# Altium PCB ADC130MSPS-V1-01.PcbDoc (part 4 of 7)
Units mil, origin at the board's own origin, x right, y up, seen from the top; angles counter-clockwise.
Board outline 3011.81 x 2716.54 mil, 8 copper layers (Top Layer, GND1, L3, GND2, L5, GND3, POWER, Bottom Layer), stack 53.051 mil thick; 405 components, 449 nets, 2142 pads, 1651 vias.
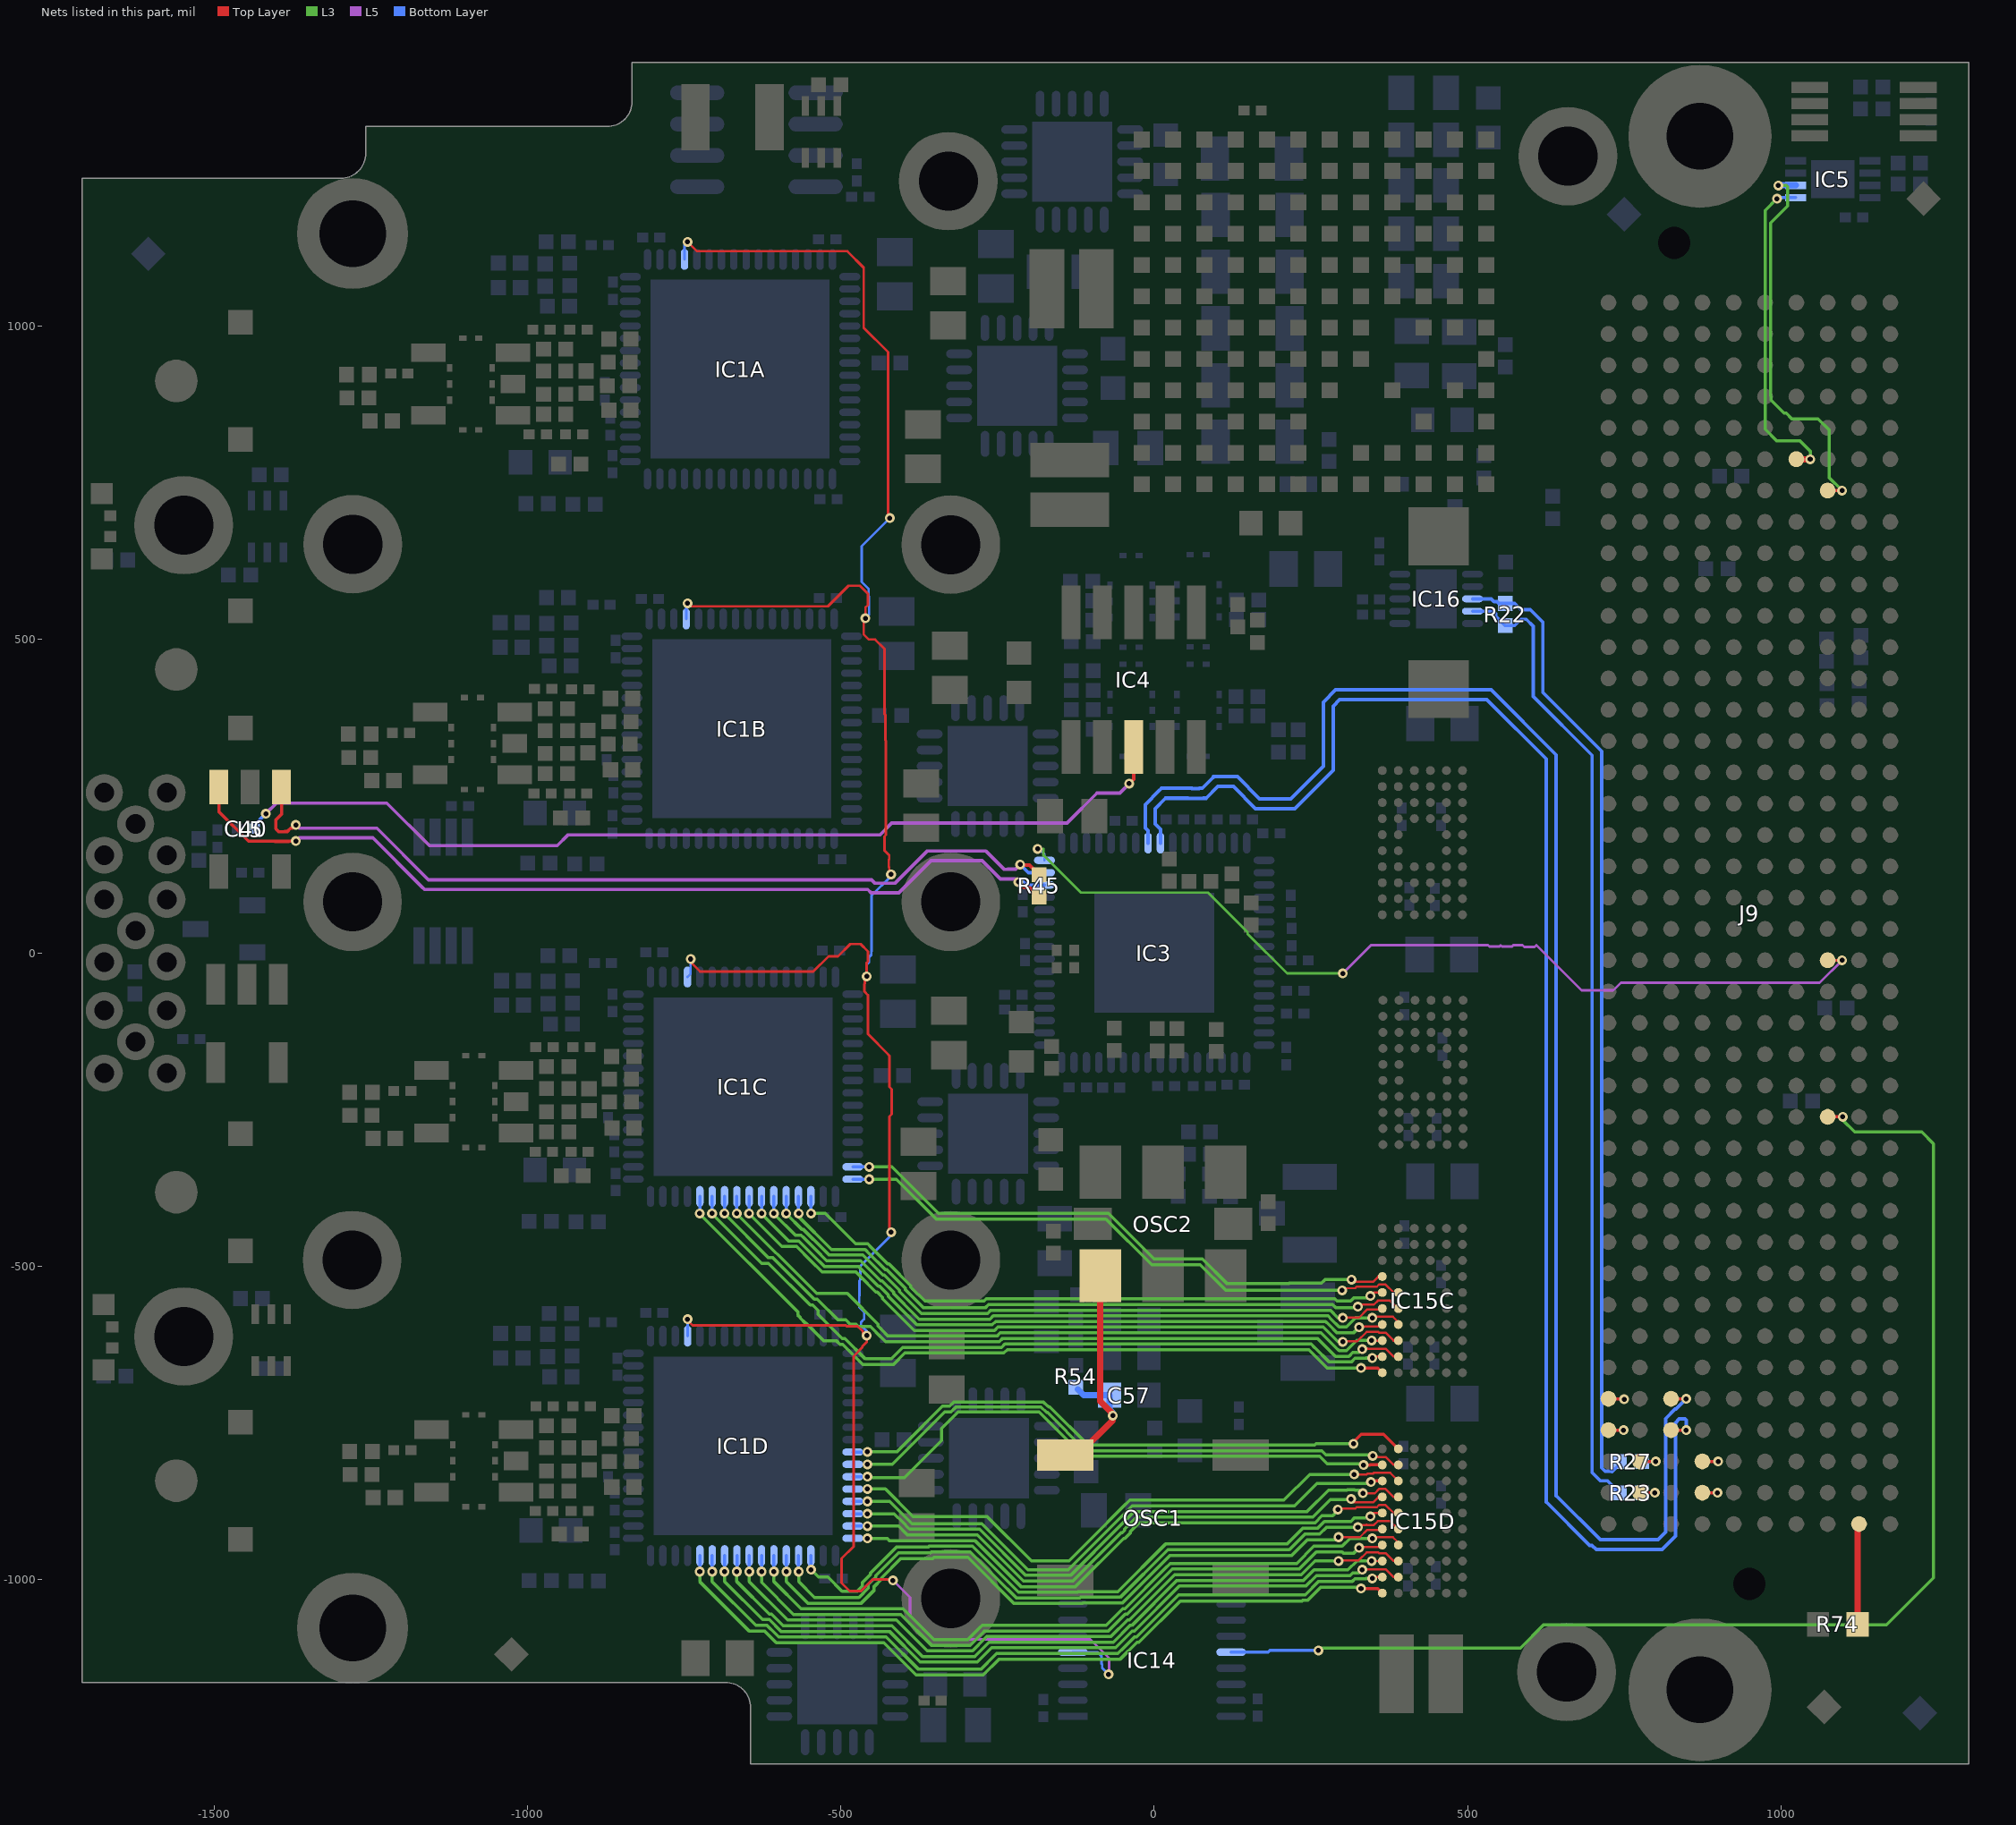
[diagram p10: the nets of this part, all layers, seen from the top]

## Via types
v1: diameter 15.75, hole 7.87, Top Layer to Bottom Layer, tented both sides, 1222 vias
v2: diameter 19.68, hole 7.87, Top Layer to Bottom Layer, tented both sides, 285 vias
v3: diameter 15.75, hole 7.87, Top Layer to Bottom Layer, 144 vias

## Nets (pads, with @x,y where several pads share a name; then routed paths per layer and width w, separated by ;. In a path a pad name is that pad's centre, name@x,y a point inside that pad or via, vN(x,y) a via of type N, cw(c..) or ccw(c..) an arc to the next point about the centre after c; other vN are vias at no path point) (continued)
CH3.DA5: IC1C.47 IC15C.G6 | length 930.2
  Top Layer w3.5: v1(315,-522) 318.5,-525.5 349.12,-525.5 357.79,-516.83 IC15C.G6@364.03,-516.83
  L3 w5: v1(-455,-341.95) -418.63,-341.95 -344.6,-415.98 -293.8,-415.98 -73.37,-416 -0.37,-489 77.06,-489 116.43,-528.37 214.35,-528.37 215.35,-527.37 266.94,-527.37 272.31,-522 v1(315,-522)
  Bottom Layer w5: IC1C.47@-481.2,-341.8 -455.16,-341.8 v1(-455,-341.95)
CH3.DA6: IC1C.48 IC15C.F5 | length 953.4
  Top Layer w3.5: v1(300,-539) 303.38,-535.62 320.64,-535.62 323.14,-533.13 355.44,-533.13 358.79,-529.79 369.26,-529.79 381.9,-542.43 IC15C.F5@389.62,-542.42
  L3 w5: v1(-455,-361.7) -411.61,-361.7 -348.33,-424.98 -297.53,-424.98 ; -297.51,-425 -77.1,-425 -4.1,-498 73.33,-498 114.33,-539 v1(300,-539)
  Bottom Layer w5: IC1C.48@-481.2,-361.48 -455.22,-361.48 v1(-455,-361.7)
CH3.DA7: IC1C.51 IC15C.F6 | length 1006.8
  Top Layer w3.5: v1(345,-548) 350.57,-542.43 IC15C.F6@364.03,-542.42
  L3 w5: v1(-547.85,-416) -525,-416 -476.37,-464.63 -457.58,-464.63 -451.2,-471 -425.58,-496.63 -423.41,-496.63 -388.63,-531.41 -388.63,-533.58 -366.11,-556.09 -271.64,-556.09 -268.18,-552.63 288.48,-552.63 291.95,-556.09 313.58,-556.09 319.05,-550.63 342.37,-550.63 v1(345,-548)
  Bottom Layer w5: IC1C.51@-548.13,-389.04 -548.13,-415.72 v1(-547.85,-416)
CH3.DA8: IC1C.52 IC15C.E5 | length 1061
  Top Layer w3.5: v1@328.38,-561.62 350.64,-561.62 356.89,-555.38 376.66,-555.38 389.3,-568.02 IC15C.E5@389.62,-568.01
  L3 w5: v1(-567.6,-416) -567.6,-421.41 -515.39,-473.63 -461.31,-473.63 -454.93,-480 -429.31,-505.63 -427.13,-505.63 -397.63,-535.13 -397.63,-537.31 -367.93,-567 -269.82,-567 -264.45,-561.63 284.75,-561.63 290.13,-567 323,-567 v1(325,-565)
  Bottom Layer w5: IC1C.52@-567.82,-389.04 -567.82,-415.78 v1(-567.6,-416)
CH3.DA9: IC1C.53 IC15C.E6 | length 1059.8
  Top Layer w3.5: v1(301,-583) 301.62,-582.38 326.89,-582.38 339.89,-569.38 362.66,-569.38 IC15C.E6@364.03,-568.01
  L3 w5: v1(-587.35,-416) -587.35,-416.58 -561.93,-442 -559.74,-442 -550.48,-451.26 -536.79,-464.95 -519.11,-482.63 -507.21,-482.63 -504.64,-482.63 -473.95,-482.63 -465.03,-482.63 -458.66,-489 -433.03,-514.63 -430.86,-514.63 -406.63,-538.86 -406.63,-541.03 -372.44,-575.22 -371.66,-576 -266.1,-576 -260.72,-570.63 -8.05,-570.63 281.03,-570.63 293.4,-583 v1(301,-583)
  Bottom Layer w5: IC1C.53@-587.5,-389.04 -587.5,-415.84 v1(-587.35,-416)
CH3.DA10: IC1C.54 IC15C.D5 | length 1120.6
  Top Layer w3.5: v1@347.07,-583.93 v1(348,-583) 350.03,-580.97 380.97,-580.97 389.61,-589.61 IC15C.D5@389.62,-593.6
  L3 w5: v1(-607.09,-416) -607.09,-416.58 -572.67,-451 -565.65,-451 -563.47,-451 -559.48,-454.98 -540.52,-473.95 -522.84,-491.63 -510.93,-491.63 -508.37,-491.63 -477.68,-491.63 -468.76,-491.63 -462.39,-498 -436.76,-523.63 -434.59,-523.63 -415.63,-542.59 -415.63,-544.76 -381.44,-578.95 -375.39,-585 -262.37,-585 -256.99,-579.63 -4.32,-579.63 52.32,-579.63 96.32,-579.63 268.99,-579.63 275.54,-579.63 277.3,-579.63 282.67,-585 295.05,-597.37 306.95,-597.37 321.33,-583 v1(348,-583)
  Bottom Layer w5: IC1C.54@-607.19,-389.04 -607.19,-415.91 v1(-607.09,-416)
CH3.DA11: IC1C.55 IC15C.D6 | length 1109.7
  Top Layer w3.5: v1@325,-596 325.62,-596.62 361.01,-596.62 IC15C.D6@364.03,-593.6
  L3 w5: v1(-626.84,-416) -626.84,-416.58 -583.42,-460 -576.4,-460 -569.38,-460 -567.2,-460 -544.25,-482.95 -526.57,-500.63 -514.66,-500.63 -512.09,-500.63 -481.41,-500.63 -472.49,-500.63 -466.12,-507 -440.49,-532.63 -438.32,-532.63 -424.63,-546.32 -424.63,-548.49 -390.44,-582.68 -379.12,-594 -258.64,-594 -253.27,-588.63 -0.59,-588.63 48.59,-588.63 92.59,-588.63 265.27,-588.63 271.81,-588.63 273.57,-588.63 278.94,-594 291.32,-606.37 318.63,-606.37 v1(327,-598)
  Bottom Layer w5: v1(-626.84,-416) IC1C.55@-626.87,-389.04
CH3.DA12: IC1C.56 IC15C.C5 | length 1166.9
  Top Layer w3.5: v1(301,-621) 301,-620 324.27,-620 338.89,-605.38 357.61,-605.38 358.79,-606.56 369.26,-606.56 381.9,-619.2 IC15C.C5@389.62,-619.19
  L3 w5: v1(-646.59,-416) -646.59,-416.58 -594.17,-469 -587.15,-469 -580.13,-469 -570.92,-469 -547.98,-491.95 -530.3,-509.63 -518.39,-509.63 -515.82,-509.63 -485.13,-509.63 -476.22,-509.63 -469.84,-516 -444.22,-541.63 -442.05,-541.63 -433.63,-550.05 -433.63,-552.22 -399.44,-586.41 -382.84,-603 -254.91,-603 -249.54,-597.63 3.13,-597.63 44.87,-597.63 47.13,-597.63 88.87,-597.63 261.54,-597.63 268.08,-597.63 269.84,-597.63 275.22,-603 293.22,-621 v1(301,-621)
  Bottom Layer w5: v1(-646.59,-416) IC1C.56@-646.56,-389.04
CH3.DA13: IC1C.57 IC15C.C6 | length 1162
  Top Layer w3.5: v1(347,-619) 347.2,-619.2 IC15C.C6@364.03,-619.19
  L3 w5: v1(-666.34,-416) -666.34,-416.58 -538.92,-544 -489.88,-544 -440.88,-593 -440.88,-595.88 -435.44,-601.32 -435.44,-601.56 -425,-612 -251.18,-612 -245.81,-606.63 266.11,-606.63 289.49,-630 289.67,-630 295.05,-635.37 306.95,-635.37 323.33,-619 325.67,-619 326.05,-618.63 337.95,-618.63 338.33,-619 v1(347,-619)
  Bottom Layer w5: v1(-666.34,-416) -666.24,-415.91 IC1C.57@-666.24,-389.04
CH3.DA14: IC1C.58 IC15C.B5 | length 1213.7
  Top Layer w3.5: v1(332,-633) 333.37,-631.63 340.37,-631.63 341.36,-632.62 352.64,-632.62 352.89,-632.38 353.64,-632.38 353.89,-632.62 358.31,-632.62 358.79,-632.15 369.26,-632.15 381.9,-644.79 IC15C.B5@389.62,-644.78
  L3 w5: v1(-686.09,-416) -686.09,-416.58 -615.67,-487 -608.65,-487 -542.65,-553 -538,-553 -504.84,-586.16 -492.16,-586.16 -484.95,-593.37 -475.63,-593.37 -473.27,-595.73 -473.17,-595.73 -472.28,-596.63 -452.86,-596.63 -444.44,-605.05 -444.44,-605.56 -429,-621 -247.46,-621 -242.08,-615.63 260.63,-615.63 289.37,-644.37 310.68,-644.37 317.06,-638 327,-638 v1(332,-633)
  Bottom Layer w5: v1(-686.09,-416) -685.93,-415.84 IC1C.58@-685.93,-389.04
CH3.DA15: IC1C.59 IC15C.B6 | length 1223.1
  Top Layer w3.5: v1(348,-647) 348,-646 349.21,-644.79 IC15C.B6@364.03,-644.78
  L3 w5: v1(-705.83,-416) -705.83,-416.58 -626.41,-496 -615.63,-496 -549,-562.63 -545.05,-562.63 -536.63,-571.05 -536.63,-577.37 -497.94,-616.06 -493.5,-616.06 -461.18,-648.37 -446.05,-648.37 -445.67,-648 -419.73,-648 -401.73,-630 -243.73,-630 -238.35,-624.63 250.35,-624.63 255.73,-630 256,-630 279.37,-653.37 314.41,-653.37 320.41,-647.37 337.95,-647.37 338.33,-647 v1(348,-647)
  Bottom Layer w5: v1(-705.83,-416) -705.61,-415.78 IC1C.59@-705.61,-389.04
CH3.OF_A: IC1C.60 IC15C.A6 | length 1245.7
  Top Layer w5: v1(330,-663) 356.65,-663 IC15C.A6@364.03,-670.37
  L3 w5: v1(-725.58,-416) -725.58,-416.58 -569,-573.16 -569,-578.37 -565.37,-582 -565.37,-582.95 -556.95,-591.37 -555.63,-591.37 -527.21,-619.79 -506.94,-619.79 -501.67,-625.06 -497.23,-625.06 -464.91,-657.37 -442.32,-657.37 -441.94,-657 -416,-657 -398,-639 -240,-639 -234.63,-633.63 246.63,-633.63 276,-663 v1(330,-663)
  Bottom Layer w5: v1(-725.58,-416) -725.3,-415.72 IC1C.60@-725.3,-389.04
CH4.CLKOUTA: IC1D.41 IC15D.K5 | length 955.1
  Top Layer w5: v1(318,-784) 318,-785 319,-786 319,-780 330.37,-768.63 366.18,-768.63 IC15D.K5@389.61,-792.06
  L3 w5: v1(-458,-796.89) -410.95,-796.89 -399.68,-785.63 -338.06,-724 -326.73,-724 -326.63,-724 -319.63,-717 -306.37,-717 -177.37,-717 -170.37,-724 -169.27,-724 -168.27,-725 -166.54,-725 -105.54,-786 256,-786 258,-784 v1(318,-784)
  Bottom Layer w5: IC1D.41@-481.09,-797.11 -458.22,-797.11 v1(-458,-796.89)
CH4.DA0: IC1D.42 IC15D.J5 | length 934.6
  Top Layer w3.5: v1(348.7,-803.28) 350.28,-804.86 v1@351.86,-804.86 ; v1@356,-805 v1@355.86,-804.86 ; IC15D.J5@389.61,-817.65 381.9,-817.65 369.26,-805.01 352.01,-805.01 v1@351.86,-804.86 ; v1@351.86,-804.86 351,-804 355,-804 v1@355.86,-804.86 ; v1@351.86,-804.86 v1@355.86,-804.86
  L3 w5: v1(-458,-816.64) -417.97,-816.64 -334.33,-733 -324.31,-733 -316.31,-725 -309.69,-725 -180.69,-725 -171.69,-734 -170.27,-734 -109.27,-795 267.55,-795 274.18,-801.63 347.05,-801.63 v1(348.7,-803.28)
CH4.DA1: IC1D.43 IC15D.J6 | length 927.9
  Top Layer w5: v1(334,-818) 344,-818 344.35,-817.65 IC15D.J6@364.02,-817.65
  L3 w5: v1(-458,-836.39) v1@-456,-836.39 ; v1@-456,-837 -455,-838 -398.67,-838 -339.5,-778.83 -339.5,-759.5 -313,-733 -184,-733 -113,-804 263.82,-804 275.82,-816 v1@327,-816
  Bottom Layer w5: IC1D.43@-481.09,-836.48 -458.09,-836.48 v1(-458,-836.39)
CH4.DA2: IC1D.44 IC15D.H5 | length 958.9
  Top Layer w3.5: v1(319,-833) 338.73,-833 340.36,-831.38 349.64,-831.38 350.64,-830.38 376.75,-830.38 IC15D.H5@389.61,-843.24
  L3 w5: v1(-458,-856.13) -429.19,-856.13 -385.33,-900 -267,-900 -196,-971 -136,-971 -74.37,-909.37 -74.37,-909.13 -44.87,-879.63 -44.63,-879.63 -39,-874 207,-874 248,-833 v1(319,-833)
CH4.DA3: IC1D.45 IC15D.H6 | length 949.2
  Top Layer w5: v1(346,-845) 347.76,-843.24 IC15D.H6@364.02,-843.24
  L3 w5: v1(-458,-875.88) -422.17,-875.88 -386.67,-911.39 -275.16,-911.39 -201.55,-985 -137.27,-985 -65.37,-913.1 -65.37,-912.86 -41.14,-888.63 -40.9,-888.63 -35.27,-883 224,-883 259.63,-847.37 343.63,-847.37 v1(346,-845)
  Bottom Layer w5: IC1D.45@-481.09,-875.85 v1(-458,-875.88)
CH4.DA4: IC1D.46 IC15D.G5 | length 976.1
  Top Layer w3.5: v1(333,-863) 351.98,-863 358.79,-856.19 369.26,-856.19 381.9,-868.83 IC15D.G5@389.61,-868.83
  L3 w5: v1(-458,-895.63) -415.15,-895.63 -400.41,-910.37 -392.78,-918 -390.39,-920.39 -371.07,-920.39 -370.48,-920.39 -278.89,-920.39 -205.28,-994 -133.54,-994 -56.54,-917 -56.37,-917 -56.37,-916.59 -37.41,-897.63 -37.17,-897.63 -31.54,-892 244,-892 278,-858 307.67,-858 308.05,-857.63 319.95,-857.63 320.33,-858 327,-858 v1@331,-862
  Bottom Layer w5: IC1D.46@-481.09,-895.54 -458.09,-895.54 v1(-458,-895.63)
CH4.DA5: IC1D.47 IC15D.G6 | length 943.5
  Top Layer w3.5: v1(314,-872) 314,-873 318.5,-877.5 349.12,-877.5 357.79,-868.83 IC15D.G6@364.02,-868.83
  L3 w5: v1(-458,-915.38) -408.13,-915.38 -396.51,-927 -394.12,-929.39 -374.79,-929.39 -366.75,-929.39 -282.62,-929.39 -209.01,-1003 -129.82,-1003 -52.82,-926 -50.82,-926 -47.37,-922.56 -47.37,-920.32 -33.68,-906.63 -33.44,-906.63 -27.82,-901 253,-901 281,-873 313,-873 v1(314,-872)
  Bottom Layer w5: IC1D.47@-481.09,-915.22 -458.16,-915.22 v1(-458,-915.38)
CH4.DA6: IC1D.48 IC15D.F5 | length 940.1
  Top Layer w3.5: v1@293,-888 294,-888 294.38,-887.62 320.64,-887.62 323.14,-885.13 355.44,-885.13 358.79,-881.79 369.26,-881.79 381.9,-894.43 IC15D.F5@389.61,-894.43
  L3 w5: v1(-458,-935.13) -426.13,-935.13 -422.86,-938.39 -286.35,-938.39 -212.74,-1012 -126.09,-1012 -49.09,-935 -47.09,-935 -38.37,-926.29 -38.37,-924.05 -29.95,-915.63 -29.71,-915.63 -24.09,-910 256.73,-910 267.73,-899 285,-899 v1@294,-890
  other v1: 293,-889
CH4.DA7: IC1D.51 IC15D.F6 | length 1066.3
  Top Layer w3.5: v1(345,-900) 350.57,-894.43 IC15D.F6@364.02,-894.43
  L3 w5: v1(-547.74,-985.02) -536.13,-996.63 -521.05,-996.63 -498.3,-1019.37 -474.05,-1019.37 -465.63,-1010.95 -465.63,-1005 -465.46,-1005 -453.37,-992.92 -453.37,-990.59 -433.41,-970.63 -411.78,-949 -378,-949 -360.9,-949 -359.9,-948 -359.29,-947.39 -343.75,-947.39 -294.25,-947.39 -290.07,-947.39 -264.46,-973 -241.13,-996.34 -217.46,-1020 -216.46,-1021 -122.36,-1021 -121.36,-1020 -58,-1020 18,-944 212,-944 237,-919 260.46,-919 271.46,-908 288.73,-908 313.67,-908 319.05,-902.63 342.37,-902.63 v1(345,-900)
  Bottom Layer w5: IC1D.51@-548.02,-962.46 -548.02,-984.73 v1(-547.74,-985.02)
CH4.DA8: IC1D.52 IC15D.E5 | length 1131.1
  Top Layer w3.5: v1(325,-917) 328.38,-913.62 338.5,-913.62 338.93,-913.2 339.36,-913.62 350.64,-913.62 356.89,-907.38 376.66,-907.38 389.3,-920.02 IC15D.E5@389.61,-920.02
  L3 w5: v1(-567.49,-988) -567.49,-1004 -542.11,-1029.37 -471.32,-1029.37 -456.63,-1014.68 -456.63,-1008.9 -444.37,-996.65 -444.37,-994.32 -429.68,-979.63 -408.06,-958 -374.27,-958 -357.18,-958 -355.57,-956.39 -293.8,-956.39 -250.13,-1000.06 -221.19,-1029 -220.19,-1030 -118.63,-1030 -117.63,-1029 -54.27,-1029 21.73,-953 215.73,-953 240.73,-928 264.18,-928 275.18,-917 v1(325,-917)
  Bottom Layer w5: IC1D.52@-567.71,-962.46 -567.71,-987.78 v1(-567.49,-988)
CH4.DA9: IC1D.53 IC15D.E6 | length 1121.9
  Top Layer w3.5: v1(294,-933) 328.27,-933 339.89,-921.38 362.66,-921.38 IC15D.E6@364.02,-920.02
  L3 w5: v1(-587.24,-988) -587.24,-1004 -552.86,-1038.37 -467.59,-1038.37 -447.63,-1018.41 -447.63,-1012.63 -435.37,-1000.37 -435.37,-998.05 -404.33,-967 -353.45,-967 -351.84,-965.39 -297.53,-965.39 -223.92,-1039 -114.9,-1039 -113.9,-1038 -50.54,-1038 25.46,-962 219.46,-962 244.46,-937 290,-937 v1(294,-933)
  Bottom Layer w5: IC1D.53@-587.39,-962.46 -587.39,-987.84 v1(-587.24,-988)
CH4.DA10: IC1D.54 IC15D.D5 | length 1153.8
  Top Layer w3.5: v1@347.07,-935.93 v1(348,-935) 350.03,-932.97 380.97,-932.97 389.61,-941.61 IC15D.D5@389.61,-945.61
  L3 w5: v1(-606.98,-988) -606.98,-1004 -563.61,-1047.37 -400.96,-1047.37 -351.84,-1096.5 -297.53,-1096.5 -297,-1095.97 ; -296.52,-1095.48 -297,-1095.97 ; v1(348,-935) 312.33,-935 299.95,-947.37 254.92,-947.37 227.29,-975 25.18,-975 18,-982.18 -46.82,-1047 -50,-1047 -76.63,-1073.63 -125.32,-1073.63 -269.99,-1073.63 -274.63,-1073.63 -277.65,-1076.65 -297,-1096
  Bottom Layer w5: IC1D.54@-607.08,-962.46 -607.08,-987.91 v1(-606.98,-988)
CH4.DA11: IC1D.55 IC15D.D6 | length 1144.7
  Top Layer w3.5: v1@325,-948 325.62,-948.62 361.01,-948.62 IC15D.D6@364.02,-945.61
  L3 w5: v1(-626.73,-988) -626.73,-1005.27 -575.63,-1056.37 -404.69,-1056.37 -355.57,-1105.5 -293.8,-1105.5 -293.3,-1105 -273.92,-1085.65 -270.9,-1082.63 -266.27,-1082.63 -121.59,-1082.63 -72.9,-1082.63 -46.27,-1056 -43.09,-1056 27,-985.91 28.91,-984 57.73,-984 231.02,-984 258.65,-956.37 297.97,-956.37 298.22,-956.63 299.95,-956.63 301.7,-958.37 318.63,-958.37 v1(327,-950)
  Bottom Layer w5: v1@-626.76,-987.97 IC1D.55@-626.76,-962.46
CH4.DA12: IC1D.56 IC15D.C5 | length 1194.8
  Top Layer w3.5: v1(294,-971) 294,-970 326.27,-970 338.89,-957.38 357.61,-957.38 358.79,-958.56 369.26,-958.56 381.9,-971.2 IC15D.C5@389.61,-971.2
  L3 w5: v1(-646.48,-988) -646.48,-1004 -585.11,-1065.37 -411.63,-1065.37 -362.5,-1114.5 -290.07,-1114.5 -289.57,-1114 ; -289.54,-1114 -270.2,-1094.65 -267.17,-1091.63 -262.54,-1091.63 -117.87,-1091.63 -76.13,-1091.63 -69.17,-1091.63 -42.54,-1065 -39.36,-1065 32.64,-993 234.75,-993 256.75,-971 v1(294,-971)
  Bottom Layer w5: v1(-646.48,-988) IC1D.56@-646.45,-962.46
CH4.DA13: IC1D.57 IC15D.C6 | length 1175.7
  Top Layer w3.5: v1(347,-971) 347.2,-971.2 IC15D.C6@364.02,-971.2
  L3 w5: v1(-666.23,-988) -666.23,-1004 -614.6,-1055.63 -610.86,-1055.63 -592.11,-1074.37 -418.9,-1074.37 -369.77,-1123.5 -286.35,-1123.5 -285.85,-1123 -266.47,-1103.65 -263.44,-1100.63 -258.81,-1100.63 -114.14,-1100.63 -79.86,-1100.63 -65.44,-1100.63 -38.82,-1074 -35.63,-1074 36.37,-1002 238.48,-1002 255.1,-985.37 308.95,-985.37 323.7,-970.63 337.95,-970.63
  Bottom Layer w5: v1(-666.23,-988) -666.13,-987.91 IC1D.57@-666.13,-962.46
CH4.DA14: IC1D.58 IC15D.B5 | length 1239
  Top Layer w3.5: v1@331,-984 v1@331.15,-984.15 ; v1(332,-985) v1@331.15,-984.15 ; IC15D.B5@389.61,-996.79 381.9,-996.79 369.26,-984.15 v1@331.15,-984.15
  L3 w5: v1(-685.98,-988) -685.98,-1004 -625.35,-1064.63 -614.59,-1064.63 -595.84,-1083.37 -424.17,-1083.37 -422.63,-1083.37 -373.5,-1132.5 -282.62,-1132.5 -282.12,-1132 ; -282.09,-1132 -259.71,-1109.63 -61.71,-1109.63 -35.09,-1083 -31.9,-1083 40.1,-1011 242.21,-1011 258.83,-994.37 312.68,-994.37 317.06,-990 327,-990 v1(332,-985)
  Bottom Layer w5: v1(-685.98,-988) -685.82,-987.84 IC1D.58@-685.82,-962.46
CH4.DA15: IC1D.59 IC15D.B6 | length 1230.9
  Top Layer w3.5: v1(348,-999) 348,-998 349.21,-996.79 IC15D.B6@364.02,-996.79
  L3 w5: v1(-705.72,-988) -705.72,-1004 -636.1,-1073.63 -618.32,-1073.63 -604.63,-1087.32 -599.57,-1092.37 -568.27,-1092.37 -427.9,-1092.37 -376.27,-1144 -276.73,-1144 -254.38,-1121.65 -251.35,-1118.63 -106.68,-1118.63 -87.32,-1118.63 -57.99,-1118.63 -48.54,-1109.18 -31.36,-1092 -28.18,-1092 38.82,-1025 240.93,-1025 262.56,-1003.37 316.41,-1003.37 320.41,-999.37 337.95,-999.37 338.33,-999 v1(348,-999)
  Bottom Layer w5: v1(-705.72,-988) -705.5,-987.78 IC1D.59@-705.5,-962.46
CH4.OF_A: IC1D.60 IC15D.A6 | length 1246.9
  Top Layer w5: v1(330,-1015) 356.65,-1015 IC15D.A6@364.02,-1022.38
  L3 w5: v1(-725.47,-988) -725.47,-1004 -646.85,-1082.63 -622.05,-1082.63 -603.3,-1101.37 -431.63,-1101.37 -380,-1153 -273,-1153 -247.63,-1127.63 -54.26,-1127.63 -27.63,-1101 -24.45,-1101 41.55,-1035 236,-1035 237,-1034 244.66,-1034 265.66,-1013 v1@323,-1013
  Bottom Layer w5: v1(-725.47,-988) -725.19,-987.72 IC1D.60@-725.19,-962.46
CLK0_M2C_N: IC3.24 J9.h5 | length 2569.3
  Top Layer w5: J9.h5@824.92,-711.99 v1(849,-712)
  Bottom Layer w5.72: IC3.24@-9.84,175.2 -9.84,194.81 -14.45,199.42 -14.45,236.55 8,259 11.45,262.45 21.8,262.45 60.12,262.45 60.31,262.27 71.69,262.27 71.88,262.45 76.45,262.45 94,280 ; 94,281.29 132.94,281.29 168.23,246 218,246 270,298 270,400.23 289.49,419.72 537.51,419.72 641.72,315.51 641.72,-711 641.72,-866.72 712,-937 804,-937 816,-925 816,-743.77 831.49,-728.28 832.72,-728.28 v1(849,-712)
CLK0_M2C_P: IC3.25 J9.h4 | length 2557.7
  Top Layer w5: J9.h4@824.92,-761.99 v1(849,-762)
  Bottom Layer w5.72: IC3.25@9.84,175.2 9.84,197.36 1.27,205.94 1.27,230.04 17.96,246.73 51.96,246.73 53.61,246.73 53.8,246.55 78.2,246.55 78.39,246.73 82.96,246.73 101.8,265.57 126.43,265.57 161.72,230.28 224.51,230.28 285.72,291.49 285.72,393.72 296,404 531,404 626,309 626,-707 626,-877 695,-946 698.77,-946 705.49,-952.72 810.51,-952.72 831.72,-931.51 831.72,-750.28 838,-744 847,-744 849,-746 v1(849,-762)
CLK1_M2C_N: J9.g3 | length 25.1
  Top Layer w5: J9.g3@874.92,-811.99 898.99,-811.99 v1(900,-812)
CLK1_M2C_P: J9.g2 | length 24.1
  Top Layer w5: J9.g2@874.92,-861.99 v1(899,-862)
CLK2_BIDIR_N: J9.k5 | length 25.5
  Top Layer w5: J9.k5@724.92,-711.99 748.99,-711.99 v1(750,-713)
CLK2_BIDIR_P: J9.k4 | length 24.1
  Top Layer w5: J9.k4@724.92,-761.99 v1(749,-762)
CLK3_BIDIR_N: J9.j3 R27.2 | length 47.9
  Top Layer w5: J9.j3@774.92,-811.99 798.99,-811.99 v1(800.38,-812)
  Bottom Layer w5: R27.2@777.92,-811.99 v1(800.38,-812)
CLK3_BIDIR_P: J9.j2 R23.2 | length 45.2
  Top Layer w5: J9.j2@774.92,-861.99 v1(799,-862)
  Bottom Layer w5: R23.2@777.92,-861.99 v1(799,-862)
CLK_DIR: J9.b1 R74.2 | length 157.6
  Top Layer w10: R74.2@1122.5,-1072 J9.b1@1122.5,-914.42
"CONTROL VOLTAGE": C57.2 OSC1.1 OSC2.1 R54.2 | length 420.1
  Top Layer w10: OSC1.1@-141.96,-802 -122,-802 -66,-746 v1(-66,-739) ; OSC2.1@-86,-515.68 -86,-716 v1@-66,-736
  Bottom Layer w10: R54.2@-122,-697 -112.72,-706.28 C57.2@-71.5,-706.28 -71.5,-729.5 v1@-66,-735
DITH: IC14.12 J9.c14 | length 2053.4
  Top Layer w5: J9.c14@1074.92,-261.99 v1(1099,-262)
  L3 w5: v1(262,-1113.72) 265.77,-1109.94 584.39,-1109.94 621.34,-1073 1169,-1073 1244,-998 1244,-305 1225,-286 1118,-286 1099,-267 v1(1099,-262)
  Bottom Layer w5: IC14.12@122.6,-1116.64 182,-1116.64 184.92,-1113.72 v1(262,-1113.72)
DITH_ON_OFF: IC1A.20 IC1B.20 IC1C.20 IC1D.20 IC14.5 | length 4280.6
  Top Layer w4: v1(-745,-585) -745,-586.81 -736.81,-595 -492,-595 -490.77,-596.23 -473.38,-596.23 -465.25,-604.36 v1@-465.25,-608.75 ; v1(-745,558) -740.13,553.13 -520.81,553.13 -488.06,585.87 -469.94,585.87 -457.13,573.06 -457.13,554.94 -461,551.07 v1(-461,534) ; v1(-745,1135) -730,1120 -490,1120 -463.72,1093.72 -463.72,997.88 -425,959.17 -425,695 -424,694 v1(-422,694) ; v1(-740,-10) -740,-15 -725,-30 -544.49,-30 -520,-5.51 -504.62,-5.51 -485.23,13.87 -468.77,13.87 -457.13,2.23 -457.13,-14.23 -458.92,-16.03 v1(-458.92,-37.57) ; v1@-463.87,531.77 -463.87,508.25 -455.75,500.13 -445.62,500.13 -430.67,485.18 -430.67,381.12 -429.25,379.7 -429.25,368.3 -429.25,339.7 -428.25,338.7 -428.25,327.3 -428.25,188.3 -430.67,185.88 -430.67,163.09 -422.92,155.34 -422.92,149.7 -423.87,148.75 -423.87,137.25 -422.92,136.3 v1@-422.92,123.43 ; -461.87,-45.25 -461.87,-49.25 -462.87,-50.25 -462.87,-61.75 -457,-67.62 -457,-129.69 -424,-162.69 -424,-163.53 -422.81,-164.72 -422.81,-214.11 -419.06,-217.86 -419.06,-257.59 -422.81,-261.34 v1@-422.81,-450 ; v1(-458.81,-611) -458.81,-621.19 -465.87,-628.25 -465.87,-630 -480,-644.13 -480,-948 -499,-967 -499,-1006 -486,-1019 -468,-1019 -449.5,-1000.5 -418.5,-1000.5 v1(-417,-1002)
  L5 w4: v1(-417,-1002) -389.74,-1029.26 -389.74,-1059.32 -388.32,-1059.32 -351.63,-1096 -102,-1096 -72,-1126 -72,-1151 v1(-73,-1152)
  Bottom Layer w4: IC1A.20@-749.78,1106.93 -749.78,1130.22 v1(-745,1135) ; IC1B.20@-747.06,532.93 -747.06,555.94 v1(-745,558) ; v1(-745,-585) -745,-586.81 -743.81,-588 -744.87,-589.06 IC1D.20@-744.87,-612.07 ; IC1C.20@-744.98,-38.65 -740,-33.66 v1(-740,-10) ; v1(-461,534) -455.19,539.81 -455.19,568.18 -455.78,568.77 -455.78,580.84 -467,592.06 -467,649 v1(-422,694) ; v1(-458.92,-37.57) -458.92,-18.86 -455.13,-15.06 -455.13,-6.75 -451.62,-3.25 -451.62,1.74 -451.19,2.18 -451.19,91.16 -419.92,122.43 -420.18,122.68 v1(-420.18,125.23) ; v1(-458.81,-611) -458.81,-604.19 -468,-595 -468,-589.62 -463.13,-584.75 -463.13,-573.25 -470.87,-565.51 -470.87,-547.94 -470.69,-547.76 -470.69,-523.69 -469,-522 -469,-500.19 -419.81,-451 -420,-450.81 v1(-420,-446) ; IC14.5@-130,-1116.64 -90.36,-1116.64 -84,-1123 -84,-1135.38 -83.13,-1136.25 -83.13,-1141.87 v1(-73,-1152)
EXT_CLK1_N: IC3.15 L5.3 R45.2 | length 1421.1
  Top Layer w5.33: L5.3@-1393,264.52 -1393,221 -1402,212 -1402,198 -1397,193 -1388,193 -1387.42,193.58 -1383.72,193.58 -1378.51,198.79 -1375.21,198.79 v1(-1370,204) ; v3(-214,141) -212.81,139.81 -199.09,139.81 R45.2@-184,124.72
  L5 w5.33: v1(-1370,204) -1364.79,198.79 -1240.79,198.79 -1158.46,116.46 -451.1,116.46 -445.53,110.89 -413.95,110.89 -362.54,162.3 -268.63,162.3 -239.33,133 -234,133 -233.46,133.54 -221.46,133.54 v3(-214,141)
  Bottom Layer w5.33: v3(-214,141) -200.95,127.95 IC3.15@-175.2,127.95
EXT_CLK1_P: IC3.14 L5.1 R45.1 | length 1499.5
  Top Layer w5.33: L5.1@-1493,264.52 -1493,225.44 -1445.81,178.25 -1403.93,178.25 -1403.35,177.67 -1381.65,177.67 -1381.07,178.25 v1(-1370,178.25) ; v3(-217,113) -207.81,103.81 -198.53,103.81 R45.1@-184,89.28
  L5 w5.33: v1(-1370,178.25) -1364.79,183.46 -1247.14,183.46 -1171.67,108 -1168.81,105.14 -1164.81,101.14 -1089,101.14 -457.45,101.14 -451.88,95.57 -407.61,95.57 -356.19,146.98 -274.98,146.98 -245.67,117.67 -221.67,117.67 v3(-217,113)
  Bottom Layer w5.33: v3(-217,113) -212.34,117.66 -207.3,112.63 -206.63,112.63 -202.27,108.27 IC3.14@-175.2,108.27
EXT_CLK_IN: C40.1 IC4.3 | length 1544.5
  Top Layer w5.72: v3(-40,270) -33,277 IC4.3@-33,328.52
  L5 w5.33: v1(-1418,222) -1401,239 -1225,239 -1157,171 -953,171 -936,188 -438,188 -419,207 -139.17,207 -91,255.17
  L5 w5.72: -91,255.17 -54.83,255.17 v3(-40,270)
  Bottom Layer w5.33: C40.1@-1436,202 -1437,202 -1437,203 v1(-1418,222)
FMC_REFCLK_N: IC16.3 R22.1 R27.1 | length 1556.8
  Bottom Layer w5.33: IC16.3@508.07,565 537.93,565 542.29,560.64 547.12,560.64 550.04,557.72 R22.1@560,557.72 575.21,557.72 585.27,547.66 600.35,547.66 620.33,527.69 620.33,415.67 714.33,321.67 714.33,-822.33 719.67,-827.67 729.84,-827.67 730.59,-828.41 742.49,-816.51 R27.1@742.49,-811.99
FMC_REFCLK_P: IC16.4 R22.2 R23.1 | length 1564.4
  Bottom Layer w5.33: IC16.4@508.07,545.32 540.77,545.32 545.47,540.61 545.47,536.81 R22.2@560,522.28 575.21,522.28 585.27,532.34 594,532.34 605,521.34 605,409.32 699,315.32 699,-830 712,-843 723.49,-843 R23.1@742.49,-861.99
FUNCTION: IC3.16 J9.c19 | length 1495.5
  Top Layer w4: J9.c19@1074.92,-11.99 v3(1098,-12)
  L5 w4: v3(301,-33) 346,12 532.89,12 534.77,10.13 551.23,10.13 553,11.89 554.77,10.13 571.23,10.13 573.11,12 587.89,12 590.77,9.13 607.23,9.13 610.05,11.95 682,-60 732.79,-60 744.79,-48 1062,-48 v3(1098,-12)
  L3 w4: v3(-186,166) -177,166 -177,156.1 -116.9,96 86,96 149,33 149,30.1 212.1,-33 v3(301,-33)
  Bottom Layer w4: v3(-186,166) -185,167 -175.2,157.2 IC3.16@-175.2,147.64
GA0: IC5.2 J9.c34 | length 636.9
  Top Layer w5: J9.c34@1074.92,738.01 v1(1098,738)
  L3 w5: v1(996,1225) 1009,1225 1011,1223 1011,1192 984,1165 984,889 984.63,888.37 984.63,882.05 1005.3,861.37 1008.68,861.37 1017.68,852.37 1059.63,852.37 1077,835 1077,759 v1(1098,738)
  Bottom Layer w10: v1(996,1225) 996.16,1225.16 IC5.2@1023.94,1225.16
GA1: IC5.1 J9.d35 | length 528
  Top Layer w10: J9.d35@1024.92,788.01 v1(1047,788)
  L3 w5: v1(994,1204) 975,1185 975,836 994,817 1031,817 1047,801 v1(1047,788)
  Bottom Layer w5: v1(994,1204) 995.47,1205.47 IC5.1@1023.94,1205.47